# Altium PCB Board.PcbDoc (part 9 of 15)
Units mil, origin at the board's own origin, x right, y up, seen from the top; angles counter-clockwise.
Board outline 6379.64 x 4143.89 mil, 4 copper layers (Top Layer, GND, VCC, Bottom Layer); 316 components, 199 nets, 1077 pads, 596 vias.
Unrouted connection lines stored in the file: 268.
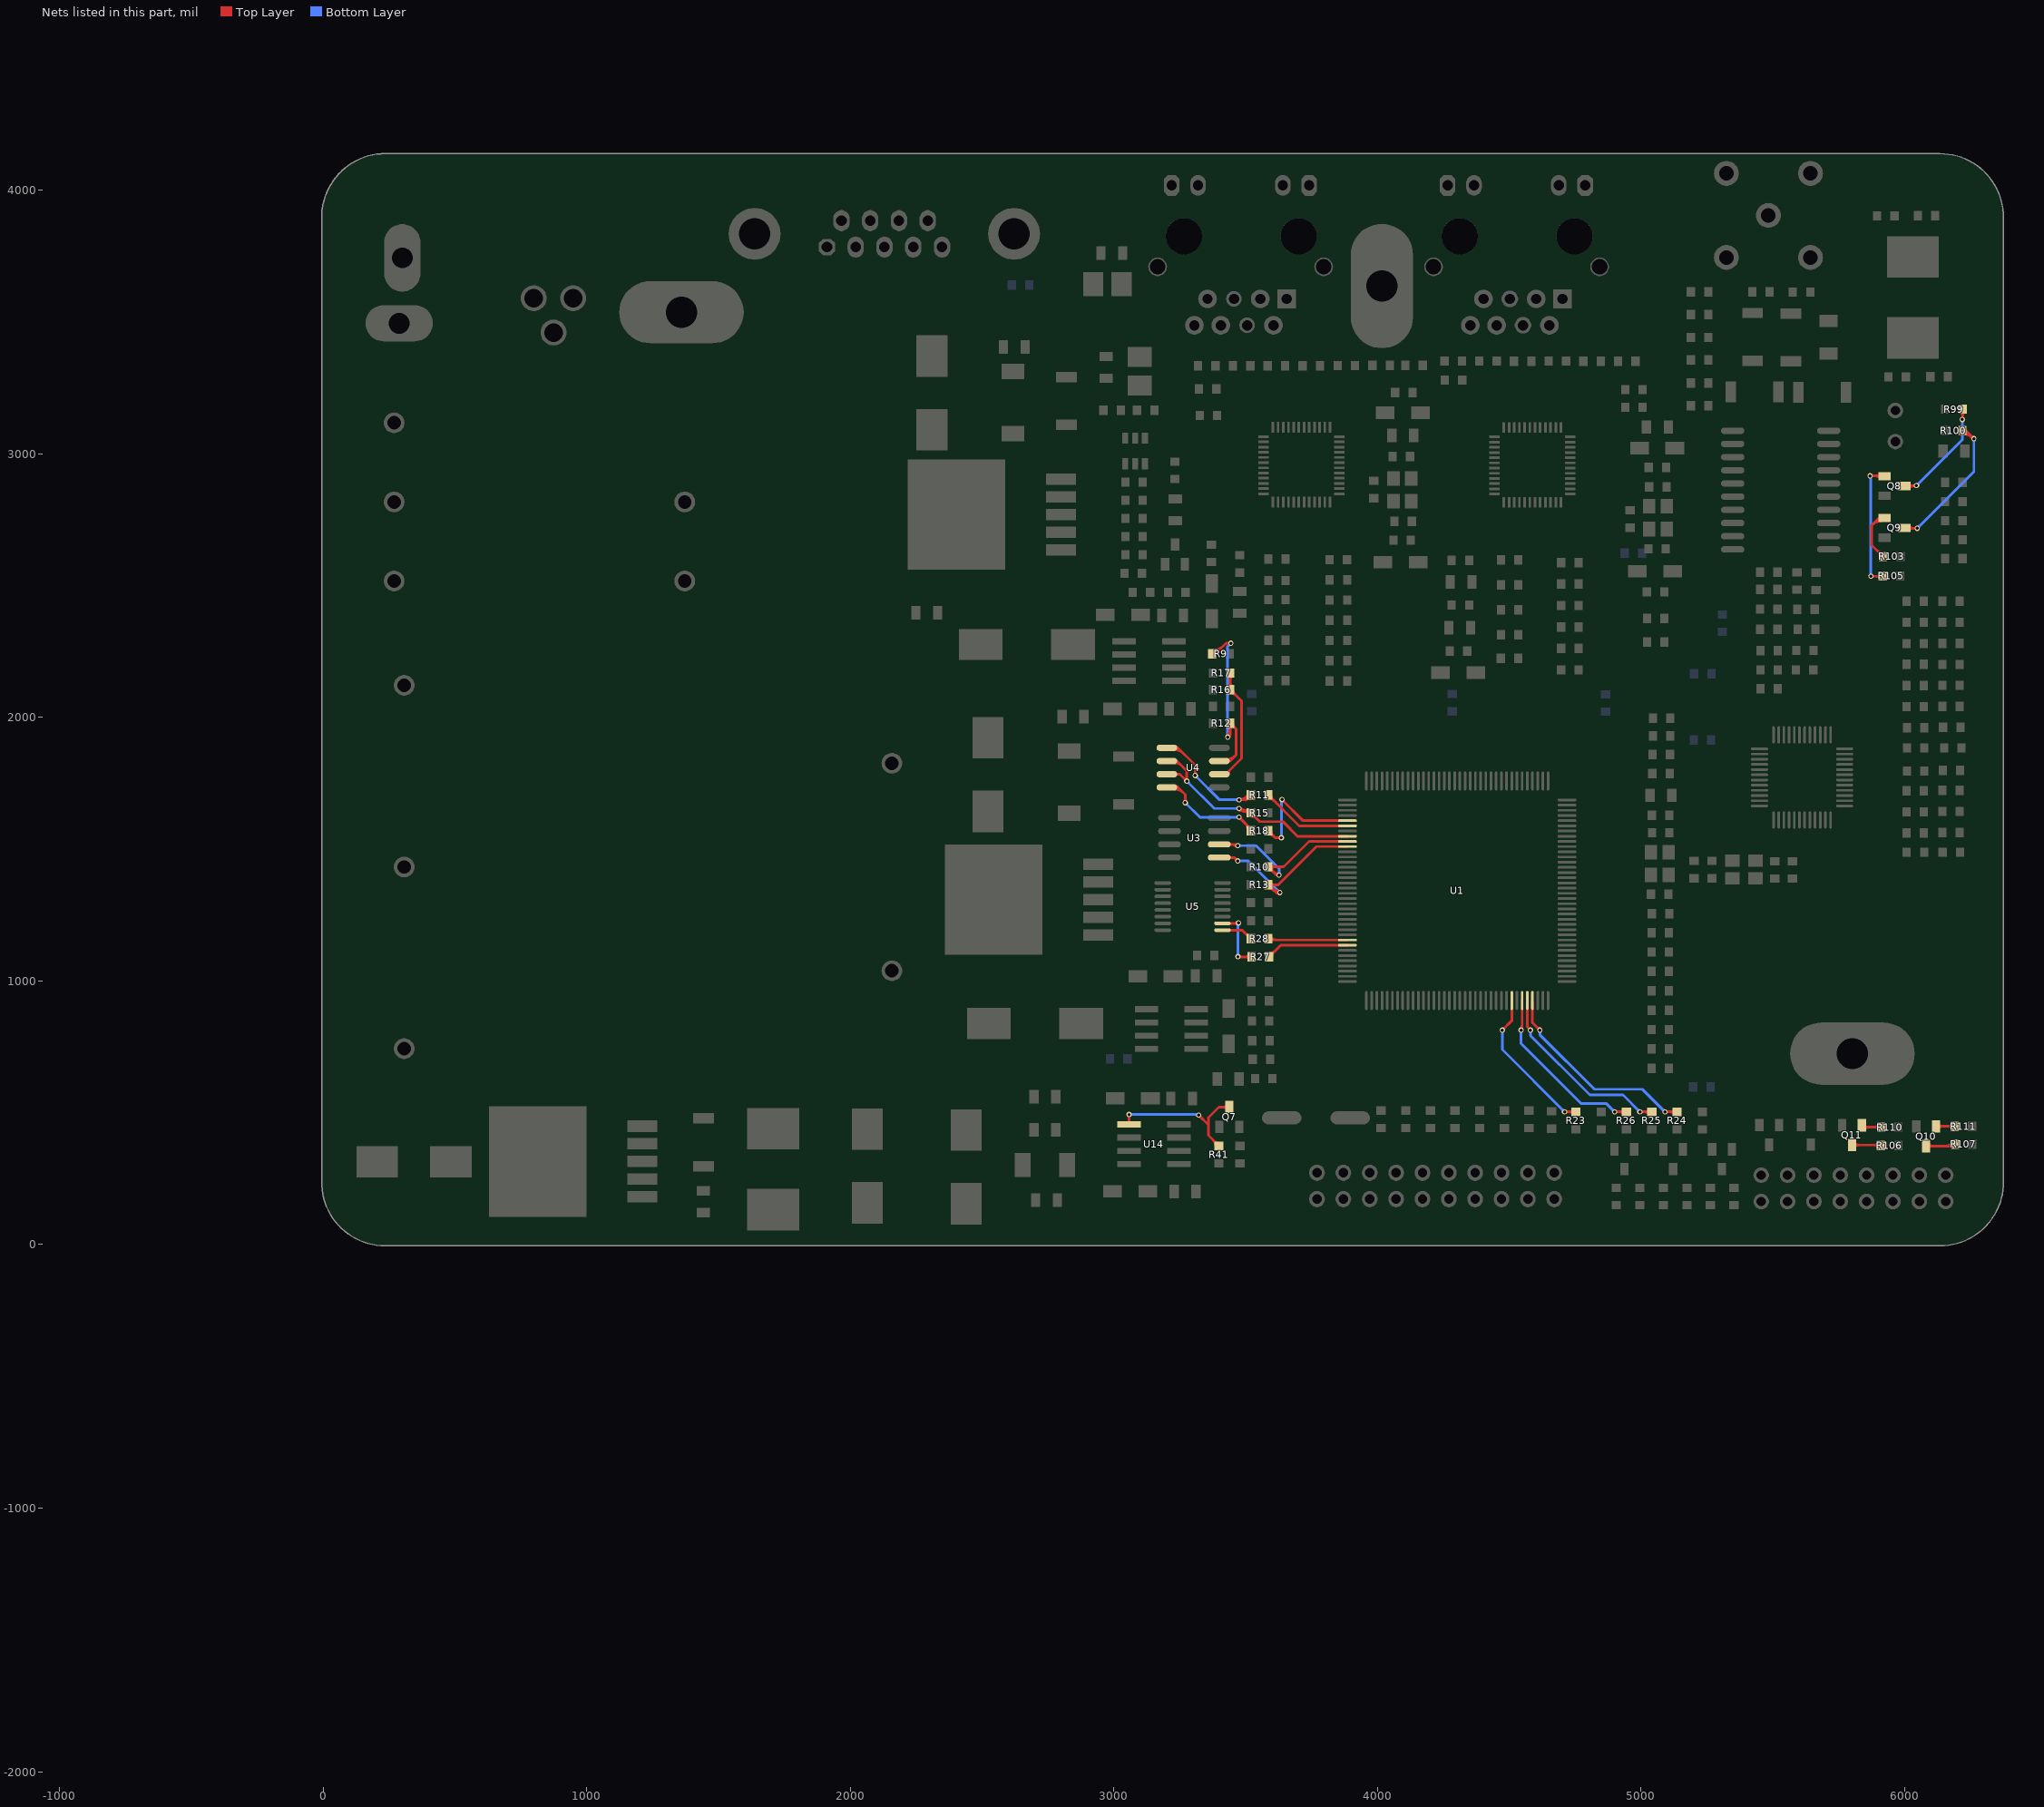
[diagram p10: the nets of this part, all layers, seen from the top]

## Via types
v1: diameter 20, hole 12, Top Layer to Bottom Layer, 590 vias
v2: diameter 30, hole 17, Top Layer to Bottom Layer, 6 vias

## Nets (pads, with @x,y where several pads share a name; then routed paths per layer and width w, separated by ;. In a path a pad name is that pad's centre, name@x,y a point inside that pad or via, vN(x,y) a via of type N, cw(c..) or ccw(c..) an arc to the next point about the centre after c; other vN are vias at no path point) (continued)
NetQ7_3: Q7.3 R41.2 U14.5 | length 1112.4
  Top Layer w10: U14.5@3057.62,455.45 v1(3057.6,493.45) ; v1(3321.6,491.45) 3358.6,454.45 ; R41.2@3398.6,374.45 3358.6,414.45 3358.6,454.45 ; Q7.3@3437.6,521.65 Q7.3@3438,521.25 3398.4,521.25 3358.6,481.45 3358.6,454.45 ; U14.5@3052.81,460.26 ccw(c3041.24,471.83) 3057.6,471.83 ; U14.5@3052.81,460.26 ccw(c3041.24,471.83) 3057.6,471.83 ; U14.5@3052.81,460.26 ccw(c3041.24,471.83) 3057.6,471.83 ; v1@3054.06,489.91 cw(c3045.53,481.38) 3057.6,481.38 ; v1@3054.06,489.91 cw(c3045.53,481.38) 3057.6,481.38 ; v1@3054.06,489.91 cw(c3045.53,481.38) 3057.6,481.38 ; 3057.6,471.95 ccw(c3074.12,471.95) U14.5@3062.44,460.26 ; 3057.6,471.95 ccw(c3074.12,471.95) U14.5@3062.44,460.26 ; 3057.6,471.95 ccw(c3074.12,471.95) U14.5@3062.44,460.26 ; 3057.6,481.38 cw(c3069.67,481.38) v1@3061.13,489.91 ; 3057.6,481.38 cw(c3069.67,481.38) v1@3061.13,489.91 ; 3057.6,481.38 cw(c3069.67,481.38) v1@3061.13,489.91 ; v1@3321.6,486.45 cw(c3321.6,474.38) 3330.13,482.91 ; v1@3321.6,486.45 cw(c3321.6,474.38) 3330.13,482.91 ; v1@3321.6,486.45 cw(c3321.6,474.38) 3330.13,482.91 ; v1@3326.6,491.45 ccw(c3338.67,491.45) 3330.13,482.91 ; v1@3326.6,491.45 ccw(c3338.67,491.45) 3330.13,482.91 ; v1@3326.6,491.45 ccw(c3338.67,491.45) 3330.13,482.91 ; 3376.89,396.16 cw(c3355.18,374.45) R41.2@3385.88,374.45 ; 3376.89,396.16 cw(c3355.18,374.45) R41.2@3385.88,374.45 ; 3376.89,396.16 cw(c3355.18,374.45) R41.2@3385.88,374.45 ; 3381.64,391.4 ccw(c3396.63,406.39) R41.2@3396.63,385.2 ; 3381.64,391.4 ccw(c3396.63,406.39) R41.2@3396.63,385.2 ; 3381.64,391.4 ccw(c3396.63,406.39) R41.2@3396.63,385.2 ; 3412.05,521.25 cw(c3412.05,495.3) Q7.3@3430.4,513.65 ; 3412.05,521.25 ccw(c3412.05,547.2) Q7.3@3430.4,528.85 ; 3412.05,521.25 cw(c3412.05,495.3) Q7.3@3430.4,513.65 ; 3412.05,521.25 ccw(c3412.05,547.2) Q7.3@3430.4,528.85 ; 3412.05,521.25 ccw(c3412.05,547.2) Q7.3@3430.4,528.85 ; 3412.05,521.25 cw(c3412.05,495.3) Q7.3@3430.4,513.65
  Bottom Layer w10: v1(3057.6,493.45) 3319.6,493.45 v1(3321.6,491.45) ; v1@3061.13,489.91 cw(c3069.67,481.38) 3069.67,493.45 ; v1@3061.13,489.91 cw(c3069.67,481.38) 3069.67,493.45 ; v1@3061.13,489.91 cw(c3069.67,481.38) 3069.67,493.45 ; v1@3061.13,496.98 ccw(c3069.67,505.52) 3069.67,493.45 ; v1@3061.13,496.98 ccw(c3069.67,505.52) 3069.67,493.45 ; v1@3061.13,496.98 ccw(c3069.67,505.52) 3069.67,493.45 ; 3304.7,493.45 cw(c3304.7,474.55) v1@3318.06,487.91 ; 3304.7,493.45 cw(c3304.7,474.55) v1@3318.06,487.91 ; 3304.7,493.45 cw(c3304.7,474.55) v1@3318.06,487.91
NetQ8_2: Q8.2 R105.1 | length 950.9
  Top Layer w10: v1(5868.6,2916.45) 5922.6,2916.45 Q8.2@5923.6,2915.45 ; v1(5871.6,2535.45) 5915.6,2535.45 R105.1@5916.6,2536.45 ; v1@5872.13,2912.91 cw(c5880.67,2904.38) 5880.67,2916.45 ; v1@5872.13,2912.91 cw(c5880.67,2904.38) 5880.67,2916.45 ; v1@5872.13,2912.91 cw(c5880.67,2904.38) 5880.67,2916.45 ; v1@5872.13,2919.98 ccw(c5880.67,2928.52) 5880.67,2916.45 ; v1@5872.13,2919.98 ccw(c5880.67,2928.52) 5880.67,2916.45 ; v1@5872.13,2919.98 ccw(c5880.67,2928.52) 5880.67,2916.45 ; v1@5875.13,2531.91 cw(c5883.67,2523.38) 5883.67,2535.45 ; v1@5875.13,2531.91 cw(c5883.67,2523.38) 5883.67,2535.45 ; v1@5875.13,2531.91 cw(c5883.67,2523.38) 5883.67,2535.45 ; v1@5875.13,2538.98 ccw(c5883.67,2547.52) 5883.67,2535.45 ; v1@5875.13,2538.98 ccw(c5883.67,2547.52) 5883.67,2535.45 ; v1@5875.13,2538.98 ccw(c5883.67,2547.52) 5883.67,2535.45 ; 5887.36,2916.45 cw(c5887.36,2887.09) Q8.2@5908.12,2907.85 ; 5887.36,2916.45 cw(c5887.36,2887.09) Q8.2@5908.12,2907.85 ; 5887.36,2916.45 cw(c5887.36,2887.09) Q8.2@5908.12,2907.85 ; 5888.31,2535.45 cw(c5888.31,2506.19) R105.1@5909,2526.88 ; 5888.31,2535.45 cw(c5888.31,2506.19) R105.1@5909,2526.88 ; 5888.31,2535.45 cw(c5888.31,2506.19) R105.1@5909,2526.88 ; 5892.19,2916.45 ccw(c5892.19,2938.98) Q8.2@5908.12,2923.05 ; 5892.19,2916.45 ccw(c5892.19,2938.98) Q8.2@5908.12,2923.05 ; 5892.19,2916.45 ccw(c5892.19,2938.98) Q8.2@5908.12,2923.05 ; 5892.99,2535.45 ccw(c5892.99,2558.09) R105.1@5909,2542.08 ; 5892.99,2535.45 ccw(c5892.99,2558.09) R105.1@5909,2542.08 ; 5892.99,2535.45 ccw(c5892.99,2558.09) R105.1@5909,2542.08
  Bottom Layer w10: v1(5868.6,2916.45) 5871.6,2913.45 v1(5871.6,2535.45) ; v1@5865.06,2912.91 cw(c5849.28,2897.14) 5871.6,2897.14 ; v1@5865.06,2912.91 cw(c5849.28,2897.14) 5871.6,2897.14 ; v1@5865.06,2912.91 cw(c5849.28,2897.14) 5871.6,2897.14 ; v1@5868.06,2538.98 ccw(c5859.53,2547.52) 5871.6,2547.52 ; v1@5868.06,2538.98 ccw(c5859.53,2547.52) 5871.6,2547.52 ; v1@5868.06,2538.98 ccw(c5859.53,2547.52) 5871.6,2547.52 ; 5871.6,2547.52 ccw(c5883.67,2547.52) v1@5875.13,2538.98 ; 5871.6,2547.52 ccw(c5883.67,2547.52) v1@5875.13,2538.98 ; 5871.6,2547.52 ccw(c5883.67,2547.52) v1@5875.13,2538.98
NetQ8_3: Q8.3 R99.1 | length 876.7
  Top Layer w10: Q8.3@5998.4,2878.05 5999.8,2879.45 v1(6044.6,2879.45) ; 6026.91,2877.12 cw(c6032.09,2857.78) v1@6042.1,2875.12 ; v1(6218.6,3130.45) 6219.6,3131.45 R99.1@6219.6,3169.45 ; Q8.3@6013.88,2870.45 cw(c6035.61,2848.72) v1@6035.61,2879.45 ; Q8.3@6013.88,2870.45 cw(c6035.61,2848.72) v1@6035.61,2879.45 ; Q8.3@6013.88,2870.45 cw(c6035.61,2848.72) v1@6035.61,2879.45 ; Q8.3@6013.88,2885.65 ccw(c6028.84,2900.61) 6028.84,2879.45 ; Q8.3@6013.88,2885.65 ccw(c6028.84,2900.61) 6028.84,2879.45 ; Q8.3@6013.88,2885.65 ccw(c6028.84,2900.61) 6028.84,2879.45 ; 6032.53,2879.45 cw(c6032.53,2867.38) v1@6041.06,2875.91 ; 6032.53,2879.45 ccw(c6032.53,2891.52) v1@6041.06,2882.98 ; 6032.53,2879.45 cw(c6032.53,2867.38) v1@6041.06,2875.91 ; 6032.53,2879.45 ccw(c6032.53,2891.52) v1@6041.06,2882.98 ; 6032.53,2879.45 ccw(c6032.53,2891.52) v1@6041.06,2882.98 ; 6032.53,2879.45 cw(c6032.53,2867.38) v1@6041.06,2875.91 ; R99.1@6212,3159.88 cw(c6193.65,3141.53) 6219.6,3141.53 ; R99.1@6212,3159.88 cw(c6193.65,3141.53) 6219.6,3141.53 ; R99.1@6212,3159.88 cw(c6193.65,3141.53) 6219.6,3141.53 ; v1@6215.06,3133.98 ccw(c6204.11,3144.93) 6219.6,3144.93 ; v1@6215.06,3133.98 ccw(c6204.11,3144.93) 6219.6,3144.93 ; v1@6215.06,3133.98 ccw(c6204.11,3144.93) 6219.6,3144.93 ; 6219.6,3141.53 cw(c6245.55,3141.53) R99.1@6227.2,3159.88 ; 6219.6,3141.53 cw(c6245.55,3141.53) R99.1@6227.2,3159.88 ; 6219.6,3141.53 cw(c6245.55,3141.53) R99.1@6227.2,3159.88
  Bottom Layer w10: v1(6044.6,2879.45) 6218.6,3053.45 v1(6218.6,3130.45) ; v1@6044.6,2884.45 ccw(c6044.6,2896.52) 6053.13,2887.98 ; v1@6044.6,2884.45 ccw(c6044.6,2896.52) 6053.13,2887.98 ; v1@6044.6,2884.45 ccw(c6044.6,2896.52) 6053.13,2887.98 ; v1@6049.6,2879.45 cw(c6061.67,2879.45) 6053.13,2887.98 ; v1@6049.6,2879.45 cw(c6061.67,2879.45) 6053.13,2887.98 ; v1@6049.6,2879.45 cw(c6061.67,2879.45) 6053.13,2887.98 ; v1@6215.06,3126.91 cw(c6206.53,3118.38) 6218.6,3118.38 ; v1@6215.06,3126.91 cw(c6206.53,3118.38) 6218.6,3118.38 ; v1@6215.06,3126.91 cw(c6206.53,3118.38) 6218.6,3118.38 ; 6218.6,3118.38 cw(c6230.67,3118.38) v1@6222.13,3126.91 ; 6218.6,3118.38 cw(c6230.67,3118.38) v1@6222.13,3126.91 ; 6218.6,3118.38 cw(c6230.67,3118.38) v1@6222.13,3126.91
NetQ9_2: Q9.2 R103.1 | length 533.4
  Top Layer w10: R103.1@5917.6,2610.45 5874.6,2653.45 5874.6,2728.45 5902.6,2756.45 Q9.2@5923.6,2756.45 ; 5874.97,2728.82 cw(c5915.72,2688.06) Q9.2@5915.72,2745.7 ; 5874.97,2728.82 cw(c5915.72,2688.06) Q9.2@5915.72,2745.7 ; 5874.97,2728.82 cw(c5915.72,2688.06) Q9.2@5915.72,2745.7 ; 5892.04,2745.89 cw(c5915.72,2722.21) Q9.2@5915.72,2755.7 ; 5892.04,2745.89 cw(c5915.72,2722.21) Q9.2@5915.72,2755.7 ; 5892.04,2745.89 cw(c5915.72,2722.21) Q9.2@5915.72,2755.7 ; 5895.89,2632.16 ccw(c5917.6,2653.87) R103.1@5917.6,2623.17 ; 5895.89,2632.16 ccw(c5917.6,2653.87) R103.1@5917.6,2623.17 ; 5895.89,2632.16 ccw(c5917.6,2653.87) R103.1@5917.6,2623.17 ; 5900.64,2627.4 cw(c5885.65,2612.42) R103.1@5906.85,2612.42 ; 5900.64,2627.4 cw(c5885.65,2612.42) R103.1@5906.85,2612.42 ; 5900.64,2627.4 cw(c5885.65,2612.42) R103.1@5906.85,2612.42
NetQ9_3: Q9.3 R100.1 | length 1140.2
  Top Layer w10: Q9.3@5998.4,2719.05 6000,2717.45 v1(6047.6,2717.45) ; R100.1@6218.6,3088.45 6231.6,3088.45 v1(6262.6,3057.45) ; 6252.09,3063.56 cw(c6245.99,3053) v1@6257.77,3056.15 ; 6252.24,3063.47 ccw(c6258.21,3073.82) v1@6261.3,3062.28 ; Q9.3@6013.88,2711.45 cw(c6028.36,2696.96) 6028.36,2717.45 ; Q9.3@6013.88,2711.45 cw(c6028.36,2696.96) 6028.36,2717.45 ; Q9.3@6013.88,2711.45 cw(c6028.36,2696.96) 6028.36,2717.45 ; Q9.3@6013.88,2726.65 ccw(c6036.08,2748.85) 6036.08,2717.45 ; Q9.3@6013.88,2726.65 ccw(c6036.08,2748.85) 6036.08,2717.45 ; Q9.3@6013.88,2726.65 ccw(c6036.08,2748.85) 6036.08,2717.45 ; 6035.53,2717.45 cw(c6035.53,2705.38) v1@6044.06,2713.91 ; 6035.53,2717.45 ccw(c6035.53,2729.52) v1@6044.06,2720.98 ; 6035.53,2717.45 cw(c6035.53,2705.38) v1@6044.06,2713.91 ; 6035.53,2717.45 ccw(c6035.53,2729.52) v1@6044.06,2720.98 ; 6035.53,2717.45 ccw(c6035.53,2729.52) v1@6044.06,2720.98 ; 6035.53,2717.45 cw(c6035.53,2705.38) v1@6044.06,2713.91 ; R100.1@6218.6,3075.73 cw(c6218.6,3013.65) v1@6262.5,3057.55 ; R100.1@6218.6,3075.73 cw(c6218.6,3013.65) v1@6262.5,3057.55 ; R100.1@6218.6,3075.73 cw(c6218.6,3013.65) v1@6262.5,3057.55 ; R100.1@6218.6,3085.73 cw(c6218.6,3047.79) 6245.43,3074.62 ; R100.1@6218.6,3085.73 cw(c6218.6,3047.79) 6245.43,3074.62 ; R100.1@6218.6,3085.73 cw(c6218.6,3047.79) 6245.43,3074.62 ; 6254.06,3065.98 cw(c6245.53,3057.45) v1@6257.6,3057.45 ; 6254.06,3065.98 ccw(c6262.6,3074.52) v1@6262.6,3062.45 ; 6254.06,3065.98 cw(c6245.53,3057.45) v1@6257.6,3057.45 ; 6254.06,3065.98 ccw(c6262.6,3074.52) v1@6262.6,3062.45 ; 6254.06,3065.98 ccw(c6262.6,3074.52) v1@6262.6,3062.45 ; 6254.06,3065.98 cw(c6245.53,3057.45) v1@6257.6,3057.45
  Bottom Layer w10: v1(6047.6,2717.45) 6262.6,2932.45 v1(6262.6,3057.45) ; v1@6047.6,2722.45 ccw(c6047.6,2734.52) 6056.13,2725.98 ; v1@6047.6,2722.45 ccw(c6047.6,2734.52) 6056.13,2725.98 ; v1@6047.6,2722.45 ccw(c6047.6,2734.52) 6056.13,2725.98 ; v1@6052.6,2717.45 cw(c6064.67,2717.45) 6056.13,2725.98 ; v1@6052.6,2717.45 cw(c6064.67,2717.45) 6056.13,2725.98 ; v1@6052.6,2717.45 cw(c6064.67,2717.45) 6056.13,2725.98 ; v1@6259.06,3053.91 cw(c6250.53,3045.38) 6262.6,3045.38 ; v1@6259.06,3053.91 cw(c6250.53,3045.38) 6262.6,3045.38 ; v1@6259.06,3053.91 cw(c6250.53,3045.38) 6262.6,3045.38 ; 6262.6,3045.38 cw(c6274.67,3045.38) v1@6266.13,3053.91 ; 6262.6,3045.38 cw(c6274.67,3045.38) v1@6266.13,3053.91 ; 6262.6,3045.38 cw(c6274.67,3045.38) v1@6266.13,3053.91
NetQ10_2: Q10.2 R111.2 | length 315.6
  Top Layer w10: Q10.2@6118.6,448.45 R111.2@6189.6,448.45 ; Q10.2@6126.2,440.85 cw(c6144.55,422.5) 6144.55,448.45 ; Q10.2@6126.2,440.85 cw(c6144.55,422.5) 6144.55,448.45 ; Q10.2@6126.2,440.85 cw(c6144.55,422.5) 6144.55,448.45 ; Q10.2@6126.2,456.05 ccw(c6144.55,474.4) 6144.55,448.45 ; Q10.2@6126.2,456.05 ccw(c6144.55,474.4) 6144.55,448.45 ; Q10.2@6126.2,456.05 ccw(c6144.55,474.4) 6144.55,448.45 ; 6163.65,448.45 cw(c6163.65,422.5) R111.2@6182,440.85 ; 6163.65,448.45 ccw(c6163.65,474.4) R111.2@6182,456.05 ; 6163.65,448.45 cw(c6163.65,422.5) R111.2@6182,440.85 ; 6163.65,448.45 ccw(c6163.65,474.4) R111.2@6182,456.05 ; 6163.65,448.45 ccw(c6163.65,474.4) R111.2@6182,456.05 ; 6163.65,448.45 cw(c6163.65,422.5) R111.2@6182,440.85
NetQ10_3: Q10.3 R107.1 | length 394.2
  Top Layer w10: Q10.3@6081.2,373.65 6182.8,373.65 R107.1@6190.6,381.45 ; Q10.3@6088.8,366.05 cw(c6107.14,347.7) 6107.14,373.65 ; Q10.3@6088.8,366.05 cw(c6107.14,347.7) 6107.14,373.65 ; Q10.3@6088.8,366.05 cw(c6107.14,347.7) 6107.14,373.65 ; Q10.3@6088.8,381.25 ccw(c6107.14,399.59) 6107.14,373.65 ; Q10.3@6088.8,381.25 ccw(c6107.14,399.59) 6107.14,373.65 ; Q10.3@6088.8,381.25 ccw(c6107.14,399.59) 6107.14,373.65 ; 6150.56,373.65 ccw(c6150.56,419.51) R107.1@6183,387.08 ; 6150.56,373.65 ccw(c6150.56,419.51) R107.1@6183,387.08 ; 6150.56,373.65 ccw(c6150.56,419.51) R107.1@6183,387.08 ; 6174.71,373.65 ccw(c6174.71,395.37) R107.1@6190.07,380.01 ; 6174.71,373.65 ccw(c6174.71,395.37) R107.1@6190.07,380.01 ; 6174.71,373.65 ccw(c6174.71,395.37) R107.1@6190.07,380.01
NetQ11_2: Q11.2 R110.1 | length 320.5
  Top Layer w10: Q11.2@5837.6,452.45 5844.6,445.45 R110.1@5910.6,445.45 ; Q11.2@5845.2,436.97 cw(c5865.66,416.52) 5865.66,445.45 ; Q11.2@5845.2,436.97 cw(c5865.66,416.52) 5865.66,445.45 ; Q11.2@5845.2,436.97 cw(c5865.66,416.52) 5865.66,445.45 ; Q11.2@5845.2,452.17 ccw(c5861.44,468.41) 5861.44,445.45 ; Q11.2@5845.2,452.17 ccw(c5861.44,468.41) 5861.44,445.45 ; Q11.2@5845.2,452.17 ccw(c5861.44,468.41) 5861.44,445.45 ; 5884.65,445.45 cw(c5884.65,419.5) R110.1@5903,437.85 ; 5884.65,445.45 ccw(c5884.65,471.4) R110.1@5903,453.05 ; 5884.65,445.45 cw(c5884.65,419.5) R110.1@5903,437.85 ; 5884.65,445.45 ccw(c5884.65,471.4) R110.1@5903,453.05 ; 5884.65,445.45 ccw(c5884.65,471.4) R110.1@5903,453.05 ; 5884.65,445.45 cw(c5884.65,419.5) R110.1@5903,437.85
NetQ11_3: Q11.3 R106.1 | length 354.9
  Top Layer w10: Q11.3@5800.2,377.65 5907.4,377.65 R106.1@5909.6,375.45 ; Q11.3@5807.8,370.05 cw(c5826.14,351.7) 5826.14,377.65 ; Q11.3@5807.8,370.05 cw(c5826.14,351.7) 5826.14,377.65 ; Q11.3@5807.8,370.05 cw(c5826.14,351.7) 5826.14,377.65 ; Q11.3@5807.8,385.25 ccw(c5826.14,403.59) 5826.14,377.65 ; Q11.3@5807.8,385.25 ccw(c5826.14,403.59) 5826.14,377.65 ; Q11.3@5807.8,385.25 ccw(c5826.14,403.59) 5826.14,377.65 ; 5883.1,377.65 cw(c5883.1,350.92) R106.1@5902,369.82 ; 5883.1,377.65 cw(c5883.1,350.92) R106.1@5902,369.82 ; 5883.1,377.65 cw(c5883.1,350.92) R106.1@5902,369.82 ; 5884.2,377.65 ccw(c5884.2,402.81) R106.1@5902,385.02 ; 5884.2,377.65 ccw(c5884.2,402.81) R106.1@5902,385.02 ; 5884.2,377.65 ccw(c5884.2,402.81) R106.1@5902,385.02
NetR9_1: R9.1 R12.2 U4.7 | length 1637.9
  Top Layer w10: R9.1@3375.6,2231.45 3425.6,2281.45 v1(3443.6,2281.45) ; U4.7@3400.01,1834.45 3440.6,1834.45 ; v1(3431.6,1925.45) 3441.6,1935.45 R12.2@3441.6,1978.45 3463.6,1956.45 3463.6,1857.45 3440.6,1834.45 ; v1@3431.6,1930.45 ccw(c3431.6,1942.52) 3440.13,1933.98 ccw(c3448.67,1925.45) v1@3436.6,1925.45 ; U4.7@3427.57,1831.26 ccw(c3427.57,1855.02) 3444.37,1838.22 ; U4.7@3427.57,1831.26 ccw(c3427.57,1855.02) 3444.37,1838.22 ; U4.7@3427.57,1831.26 ccw(c3427.57,1855.02) 3444.37,1838.22 ; U4.7@3427.57,1841.26 ccw(c3427.57,1889.16) 3461.44,1855.29 ; U4.7@3427.57,1841.26 ccw(c3427.57,1889.16) 3461.44,1855.29 ; U4.7@3427.57,1841.26 ccw(c3427.57,1889.16) 3461.44,1855.29 ; v1@3428.06,1928.98 ccw(c3395.39,1961.66) R12.2@3441.6,1961.66 ; v1@3428.06,1928.98 ccw(c3395.39,1961.66) R12.2@3441.6,1961.66 ; v1@3428.06,1928.98 ccw(c3395.39,1961.66) R12.2@3441.6,1961.66 ; 3431.53,2281.45 cw(c3431.53,2269.38) v1@3440.06,2277.91 ; 3431.53,2281.45 ccw(c3431.53,2293.52) v1@3440.06,2284.98 ; 3431.53,2281.45 cw(c3431.53,2269.38) v1@3440.06,2277.91 ; 3431.53,2281.45 ccw(c3431.53,2293.52) v1@3440.06,2284.98 ; 3431.53,2281.45 ccw(c3431.53,2293.52) v1@3440.06,2284.98 ; 3431.53,2281.45 cw(c3431.53,2269.38) v1@3440.06,2277.91 ; U4.7@3433.16,1830.56 cw(c3440.6,1825.39) 3440.6,1834.45 ; U4.7@3433.16,1830.56 cw(c3440.6,1825.39) 3440.6,1834.45 ; U4.7@3433.16,1830.56 cw(c3440.6,1825.39) 3440.6,1834.45 ; U4.7@3433.16,1838.34 ccw(c3440.6,1843.51) 3440.6,1834.45 ; U4.7@3433.16,1838.34 ccw(c3440.6,1843.51) 3440.6,1834.45 ; U4.7@3433.16,1838.34 ccw(c3440.6,1843.51) 3440.6,1834.45 ; R12.2@3434,1968.88 cw(c3415.65,1950.53) 3441.6,1950.53 ; R12.2@3434,1968.88 cw(c3415.65,1950.53) 3441.6,1950.53 ; R12.2@3434,1968.88 cw(c3415.65,1950.53) 3441.6,1950.53 ; v1@3435.13,1921.91 ccw(c3419.53,1937.52) 3441.6,1937.52 ; v1@3435.13,1921.91 ccw(c3419.53,1937.52) 3441.6,1937.52 ; v1@3435.13,1921.91 ccw(c3419.53,1937.52) 3441.6,1937.52 ; 3441.6,1950.53 cw(c3467.55,1950.53) R12.2@3449.2,1968.88 ; 3441.6,1950.53 cw(c3467.55,1950.53) R12.2@3449.2,1968.88 ; 3441.6,1950.53 cw(c3467.55,1950.53) R12.2@3449.2,1968.88 ; R12.2@3441.6,1965.73 cw(c3441.6,1935.03) 3463.31,1956.74 ; R12.2@3441.6,1965.73 cw(c3441.6,1935.03) 3463.31,1956.74 ; R12.2@3441.6,1965.73 cw(c3441.6,1935.03) 3463.31,1956.74 ; R12.2@3452.35,1976.48 ccw(c3473.54,1976.48) 3458.55,1961.49 ; R12.2@3452.35,1976.48 ccw(c3473.54,1976.48) 3458.55,1961.49 ; R12.2@3452.35,1976.48 ccw(c3473.54,1976.48) 3458.55,1961.49 ; R9.1@3373.6,2244.17 ccw(c3373.6,2279.69) 3398.72,2254.57 cw(c3373.6,2279.69) R9.1@3373.6,2244.17 ; R9.1@3373.6,2254.17 ccw(c3373.6,2313.84) 3415.79,2271.64 cw(c3373.6,2313.84) R9.1@3373.6,2254.17
  Bottom Layer w10: v1(3431.6,1925.45) 3431.6,2269.45 v1(3443.6,2281.45) ; v1@3438.6,2281.45 cw(c3426.53,2281.45) 3435.06,2272.91 cw(c3443.6,2264.38) v1@3443.6,2276.45 ; v1@3428.06,1928.98 ccw(c3419.53,1937.52) 3431.6,1937.52 ; v1@3428.06,1928.98 ccw(c3419.53,1937.52) 3431.6,1937.52 ; v1@3428.06,1928.98 ccw(c3419.53,1937.52) 3431.6,1937.52 ; 3431.6,1937.52 ccw(c3443.67,1937.52) v1@3435.13,1928.98 ; 3431.6,1937.52 ccw(c3443.67,1937.52) v1@3435.13,1928.98 ; 3431.6,1937.52 ccw(c3443.67,1937.52) v1@3435.13,1928.98
NetR10_2: R10.2 U1.81 U3.6 | length 1261.3
  Top Layer w10: U3.6@3399.57,1518.45 3400.57,1517.45 3465.6,1517.45 v1(3469.6,1513.45) ; v1(3626.6,1401.45) 3617.47,1401.45 R10.2@3585.75,1433.17 3644.32,1433.17 3740.61,1529.46 U1.81@3886.26,1529.46 ; U3.6@3435.89,1513.63 cw(c3445.1,1504.42) 3445.1,1517.45 ; U3.6@3435.89,1513.63 cw(c3445.1,1504.42) 3445.1,1517.45 ; U3.6@3435.89,1513.63 cw(c3445.1,1504.42) 3445.1,1517.45 ; U3.6@3435.89,1523.26 ccw(c3449.93,1537.31) 3449.93,1517.45 ; U3.6@3435.89,1523.26 ccw(c3449.93,1537.31) 3449.93,1517.45 ; U3.6@3435.89,1523.26 ccw(c3449.93,1537.31) 3449.93,1517.45 ; 3447.87,1517.45 cw(c3447.87,1491.72) v1@3466.06,1509.91 ; 3447.87,1517.45 cw(c3447.87,1491.72) v1@3466.06,1509.91 ; 3447.87,1517.45 cw(c3447.87,1491.72) v1@3466.06,1509.91 ; R10.2@3585.75,1420.45 cw(c3585.75,1389.75) 3607.46,1411.46 ; R10.2@3585.75,1420.45 cw(c3585.75,1389.75) 3607.46,1411.46 ; R10.2@3585.75,1420.45 cw(c3585.75,1389.75) 3607.46,1411.46 ; R10.2@3593.35,1425.57 cw(c3611.7,1407.22) 3611.7,1433.17 ; R10.2@3593.35,1425.57 cw(c3611.7,1407.22) 3611.7,1433.17 ; R10.2@3593.35,1425.57 cw(c3611.7,1407.22) 3611.7,1433.17 ; R10.2@3593.35,1440.77 ccw(c3611.7,1459.12) 3611.7,1433.17 ; R10.2@3593.35,1440.77 ccw(c3611.7,1459.12) 3611.7,1433.17 ; R10.2@3593.35,1440.77 ccw(c3611.7,1459.12) 3611.7,1433.17 ; R10.2@3596.5,1431.2 ccw(c3617.69,1431.2) 3602.7,1416.21 ; R10.2@3596.5,1431.2 ccw(c3617.69,1431.2) 3602.7,1416.21 ; R10.2@3596.5,1431.2 ccw(c3617.69,1431.2) 3602.7,1416.21 ; 3602.48,1416.44 ccw(c3626.6,1440.56) v1@3626.6,1406.45 ; 3602.48,1416.44 ccw(c3626.6,1440.56) v1@3626.6,1406.45 ; 3602.48,1416.44 ccw(c3626.6,1440.56) v1@3626.6,1406.45
  Bottom Layer w10: v1(3469.6,1513.45) 3539.6,1513.45 3626.6,1426.45 v1(3626.6,1401.45) ; v1@3473.13,1509.91 cw(c3481.67,1501.38) 3481.67,1513.45 ; v1@3473.13,1509.91 cw(c3481.67,1501.38) 3481.67,1513.45 ; v1@3473.13,1509.91 cw(c3481.67,1501.38) 3481.67,1513.45 ; v1@3473.13,1516.98 ccw(c3481.67,1525.52) 3481.67,1513.45 ; v1@3473.13,1516.98 ccw(c3481.67,1525.52) 3481.67,1513.45 ; v1@3473.13,1516.98 ccw(c3481.67,1525.52) 3481.67,1513.45 ; v1@3623.06,1404.98 ccw(c3614.53,1413.52) 3626.6,1413.52 ; v1@3623.06,1404.98 ccw(c3614.53,1413.52) 3626.6,1413.52 ; v1@3623.06,1404.98 ccw(c3614.53,1413.52) 3626.6,1413.52 ; 3626.6,1413.52 ccw(c3638.67,1413.52) v1@3630.13,1404.98 ; 3626.6,1413.52 ccw(c3638.67,1413.52) v1@3630.13,1404.98 ; 3626.6,1413.52 ccw(c3638.67,1413.52) v1@3630.13,1404.98
NetR11_1: R11.1 U1.78 | length 471.6
  Top Layer w10: R11.1@3585.6,1705.95 3703.04,1588.51 U1.78@3886.26,1588.51 ; R11.1@3585.6,1693.24 cw(c3585.6,1662.54) 3607.31,1684.24 ; R11.1@3585.6,1693.24 cw(c3585.6,1662.54) 3607.31,1684.24 ; R11.1@3585.6,1693.24 cw(c3585.6,1662.54) 3607.31,1684.24 ; R11.1@3596.35,1703.98 ccw(c3617.54,1703.98) 3602.55,1689 ; R11.1@3596.35,1703.98 ccw(c3617.54,1703.98) 3602.55,1689 ; R11.1@3596.35,1703.98 ccw(c3617.54,1703.98) 3602.55,1689